# KiCad board Inkplate10_Soldered_panel.kicad_pcb (continued)
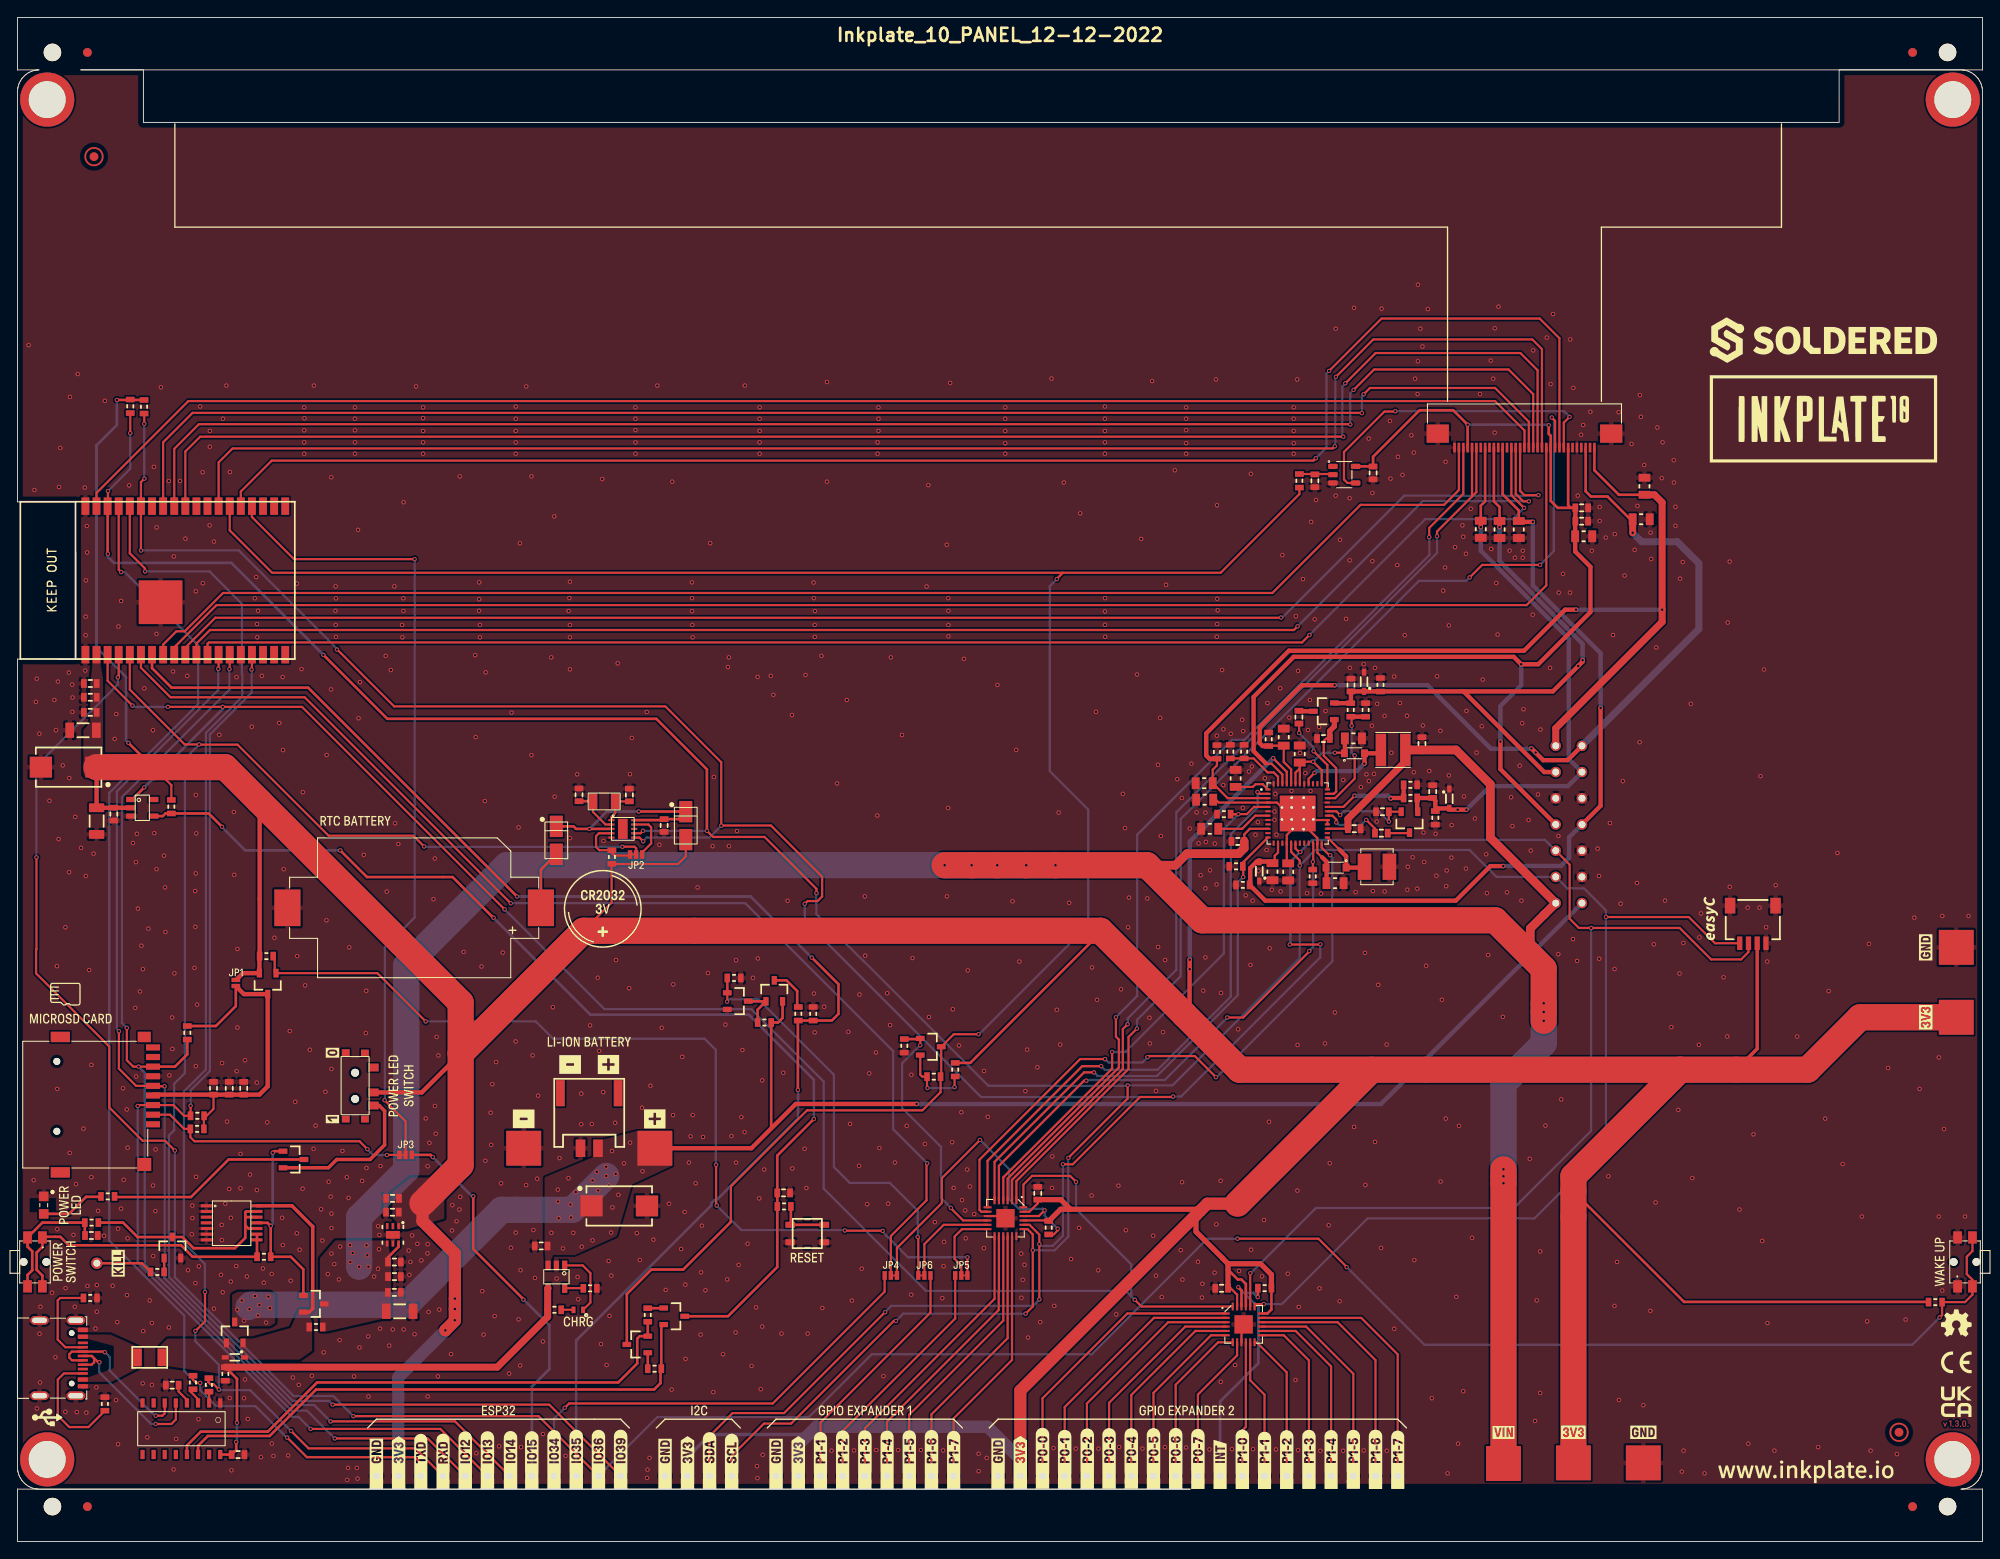
[diagram p0: board, top side]
## Routing (per net, layer and track width the routed paths; a pad name or vN(x,y) marks a point on that pad's centre or on a via; arc(x,y) is an arc through that point) (continued)
  Top w0.5: K1.4 169.65,88.39 v1(169.65,91.55) ; 142.83,89.04 141.41,90.46 141.41,96.66 146,101.25 171.18,101.25 v1(172.03,100.4) 173.98,100.4 179.95,106.37 179.95,111.55 178.2,113.3 C55.2 178.2,116.75 C42.2 C43.2
  Bottom w0.3: v1(175.17,127.75) 175.1,127.82 v1(165.9,127.82)
  Bottom w0.5: v1(169.65,91.55) 169.65,95.62 172.03,98 v1(172.03,100.4)
Board_0-3V3_MICROSD: length 41.5
  Top w0.254: R43.2 21.33,48.7 R44.2 21.64,48.72 22.43,49.51 C39.2
  Top w0.3: R45.2 22.7,59 24.98,61.27 JP1.1
  Top w0.5: K11.4 15.6,51.14 C39.2 27.68,51.14 28.63,52.09 Q10.3 25.9,62.65 JP1.1
Board_0-3V3_RTC: length 24.6
  Top w0.3: U7.10 70.56,82.57 73.86,82.57 C36.2 75.6,82.68 D11.2 76.43,83.55 v1(71.07,83.55) ; D12.2 63.61,81.85 63.9,81.56 v1(65.44,81.56) U7.3
  Bottom w0.3: v1(65.44,81.56) 67.43,83.55 v1(71.07,83.55)
Board_0-/CTRL & COMS/CH_RXD: length 1.7
  Top w0.254: U3.3 20.66,16.29 19.74,17.21
Board_0-/CTRL & COMS/CH_TXD: length 1.3
  Top w0.254: U3.2 21.93,17.12 R24.1
Board_0-/CTRL & COMS/DTR: length 62.3
  Top w0.3: R26.2 Q3.2 71.18,23.5 70.9,23.23 70.9,20.38 68.73,18.21 34.27,18.21 28.64,12.58 20.97,12.58 19.39,10.99 U3.13
Board_0-/CTRL & COMS/RTS: length 63.7
  Top w0.3: U3.14 20.66,10.95 21.78,12.08 28.85,12.08 34.17,17.4 72.83,17.4 73.56,18.13 73.56,19.68 R27.2 73.66,24.55 Q2.2
Board_0-/MCU/GPB_3: length 33.6
  Top w0.254: K19.1 96.94,12.94 111.78,27.77 U9.13
Board_0-/MCU/GPB_4: length 32.7
  Top w0.254: K20.1 99.48,13.73 112.25,26.5 112.25,28.5 112.28,28.52 U9.14
Board_0-/MCU/GPB_5: length 31.9
  Top w0.254: U9.15 112.78,25.27 102.02,14.52 K23.1
Board_0-/MCU/GPB_6: length 31.1
  Top w0.254: K21.1 104.56,14.56 113.28,23.27 U9.16
Board_0-/MCU/GPB_7: length 30.2
  Top w0.254: U9.17 113.78,20.77 107.1,14.1 K22.1
Board_0-/POWER/INT_LDO: length 6.3
  Top w0.254: C4.2 140.1,81.57 141.61,83.07 U1.7
Board_0-/POWER/TS: length 7.1
  Top w0.254: R3.2 141.41,89.62 143.02,88.02 143.71,88.02 144.21,87.52 U1.47
Board_0-/POWER/VB: length 14.6
  Top w0.254: U1.37 149.21,88.27 v1(148.23,89.25) 146.79,89.25 C12.2 146.69,88.48 ; U1.43 146.21,87.99 146.69,88.48 ; 146.69,88.48 146.71,88.46 U1.42 ; v1(150.71,90.27) 151.74,90.27 D3.1
  Top w0.5: 151.85,91.9 151.86,91.89 151.86,90.27 D3.1
  Bottom w0.254: v1(150.71,90.27) 149.25,90.27 v1(148.23,89.25)
Board_0-/POWER/VB_SW: length 10.9
  Top w0.254: U1.40 147.71,87.29 v1(148.38,87.97)
  Top w0.5: L2.2 155.59,90.21 D3.2 154.1,89.05 v1(154.08,89.02)
  Bottom w0.5: v1(154.08,89.02) 153.22,88.17 148.58,88.17 v1(148.38,87.97)
Board_0-/POWER/VN: length 22
  Top w0.254: 145.35,77.8 145.21,77.95 U1.16 145.21,80.86 U1.49 ; 149.25,78.31 149.23,78.31 148.71,78.83 U1.23 148.71,80.5 147.68,81.52 U1.49 ; U1.49 148.32,82.57 U1.29 U1.28 ; C3.2 137.09,84.9 137.42,84.57 U1.4 144.09,84.57 U1.49
  Top w0.5: 149.25,78.31 149.76,77.8 C9.2
Board_0-/POWER/VN_SW: length 6.3
  Top w0.254: U1.25 151.21,79.22 151.21,79.21
  Top w0.5: 151.21,79.21 152,78.42 D1.1 153.85,77.12 153.93,77.05
Board_0-/POWER/VREF: length 4.1
  Top w0.254: C1.2 141.33,86.36 141.64,86.67 142.46,86.67 U1.1
Board_0-/SD_RTC_GPIO/CLKOUT_RTC: length 5.4
  Top w0.254: 71.48,78.88 72.49,79.89 72.49,81.75 72.18,82.06 U7.9
Board_0-/SD_RTC_GPIO/X1: length 3.9
  Top w0.254: U7.1 67.95,82.94 68.39,83.37 X1.1 69.99,84.7 C34.2
Board_0-/SD_RTC_GPIO/X2: length 5.5
  Top w0.254: U7.2 67.28,82.06 65.84,83.5 X1.2
  Top w0.3: C35.2 65.81,84.73 X1.2
Board_0-D+: length 19.9
  Top w0.254: K2.B6 8.49,20.24 8.77,20.52 8.77,20.95 8.48,21.24 K2.A6 8.51,21.24 9.23,20.52 v1(9.37,20.52) ; U3.5 18.12,13.96 17.6,13.45 15.81,13.45 v1(15.8,13.46)
  Bottom w0.254: v1(15.8,13.46) 15.27,13.46 9.37,19.36 v1(9.37,20.52)
Board_0-D-: length 18.4
  Top w0.254: v1(9.98,21.67) 9.91,21.74 K2.B7 6.22,21.74 5.93,21.45 5.93,21.04 6.23,20.74 K2.A7 ; v1(15.82,14.4) 16.58,14.4 16.85,14.67 U3.6
  Bottom w0.254: v1(9.98,21.67) 10.53,21.12 10.53,19.58 15.71,14.4 v1(15.82,14.4)
Board_0-EPD_CKV: length 161.6
  Top w0.254: K12.32 164.9,120.35 163.2,118.65 153.65,118.65 143.56,108.56 23.52,108.56 19.13,104.17 18.18,104.17 16.66,102.66 U10.8
Board_0-EPD_CL: length 36.4
  Top w0.254: v1(177.56,128.72) 176.9,128.06 K12.8 ; v1(157.63,129.36) 157.6,129.32 156.38,129.32 151.75,124.7 151.75,121.55 152.15,121.15 U8.4
  Bottom w0.254: v1(157.63,129.36) 176.92,129.36 v1(177.56,128.72)
Board_0-EPD_D0: length 178.5
  Top w0.254: U10.26 23.01,123.51 24.6,125.1 150.45,125.1 v1(150.7,125.35) ; v1(150.83,133.3) 155.1,137.57 173.3,137.57 174.4,136.47 K12.13
  Bottom w0.254: v1(150.7,125.35) 150.78,125.42 150.78,133.25 v1(150.83,133.3)
Board_0-EPD_D1: length 178.8
  Top w0.254: v1(151.68,126.45) 20.9,126.45 19.2,124.75 U10.29 ; v1(151.9,132.55) 155.37,136.02 171.93,136.02 173.9,134.05 K12.14
  Bottom w0.254: v1(151.68,126.45) 151.58,126.55 151.58,132.22 v1(151.9,132.55)
Board_0-EPD_D2: length 175.2
  Top w0.254: v1(152.48,127.85) 152.45,127.87 20.75,127.87 17.93,125.05 U10.30 ; K12.15 173.4,131.32 170.58,134.14 155.19,134.14 v1(152.85,131.8)
  Bottom w0.254: v1(152.85,131.8) 152.48,131.42 v1(152.48,127.85)
Board_0-EPD_D3: length 171.8
  Top w0.254: K12.16 172.9,128.16 169.04,132.02 154.73,132.02 v1(154,131.3) ; U10.31 16.66,125.81 20.03,129.17 153.78,129.17 v1(153.8,129.15)
  Bottom w0.254: v1(154,131.3) 153.8,131.1 v1(153.8,129.15)
Board_0-EPD_D4: length 172.6
  Top w0.254: U10.37 9.04,120.01 19.55,130.52 169.04,130.52 172.4,127.16 K12.17
Board_0-EPD_D5: length 170.1
  Top w0.254: v1(144.55,105.75) 144.53,105.72 22.63,105.72 19.2,102.3 U10.10 ; K12.18 171.9,120.25 172.4,119.75 v1(174,119.75)
  Bottom w0.254: v1(174,119.75) 173.95,119.7 158.65,119.7 144.7,105.75 v1(144.55,105.75)
Board_0-EPD_D6: length 167.6
  Top w0.254: K12.19 171.4,119.9 172.25,119.05 v1(172.9,119.05) ; v1(146.44,104.74) 146.02,104.32 22.02,104.32 20.47,102.77 U10.11
  Bottom w0.254: v1(146.44,104.74) 160.78,119.08 172.87,119.08 v1(172.9,119.05)
Board_0-EPD_D7: length 165.8
  Top w0.254: v1(147.8,103.75) 146.95,102.9 21.9,102.9 21.74,102.74 U10.12 ; v1(172.35,118.3) 170.9,119.75 K12.20
  Bottom w0.254: v1(172.35,118.3) 171.05,117 161.05,117 v1(147.8,103.75)
Board_0-EPD_GMODE: length 113.8
  Top w0.254: 166.4,119.6 166.9,120.1 K12.28 ; 166.4,119.6 162.4,115.6 v1(162.4,115.05) ; 166.4,119.6 K12.29 ; v1(127,59.2) 126.45,58.65 126.45,54.07 113.78,41.39 U9.2
  Bottom w0.254: v1(127,59.2) 127,59.85 132.58,65.43 132.58,83.46 140.42,91.31 140.57,91.31 162.4,113.14 v1(162.4,115.05)
Board_0-EPD_LE: length 179.1
  Top w0.254: U10.24 25.55,120.17 29.09,123.71 148.26,123.71 v1(148.53,123.97) ; K12.9 176.4,137.71 174.14,139.97 156.05,139.97 v1(150.05,133.97)
  Bottom w0.254: v1(148.53,123.97) 149.75,125.2 149.75,133.67 v1(150.05,133.97)
Board_0-EPD_OE: length 125.8
  Top w0.254: v1(128.07,58.71) 127.1,57.74 127.1,54.07 114.28,41.25 U9.1 ; v1(166.13,110.33) 167.57,111.77 v1(174.18,111.77) ; K12.10 175.9,128.26 v1(175.52,128.64)
  Bottom w0.254: v1(166.13,110.33) 165.74,109.95 160.33,109.95 133.07,82.69 133.07,64.71 128.07,59.71 v1(128.07,58.71) ; v1(175.52,128.64) 175.75,128.41 175.75,113.35 v1(174.18,111.77)
Board_0-EPD_SPH: length 176.5
  Top w0.254: K12.12 174.9,109.42 172.65,107.17 22.77,107.17 17.93,102.33 U10.9
Board_0-EPD_SPV: length 108.9
  Top w0.254: v1(161.5,114.95) 161.5,116 165.4,119.9 K12.31 ; v1(125.66,60) 125.66,57.79 126,57.45 126,54.25 113.28,41.53 U9.3
  Bottom w0.254: v1(125.66,60) 128.1,62.44 128.1,80.9 138.96,91.76 140.38,91.76 161.53,112.91 161.53,114.92 v1(161.5,114.95)
Board_0-GND: length 4.3
  Top w0.254: U9.9 112.78,37.25 U9.25 ; U11.9 140.03,24.6 U11.25
  vias: v1(1.28,136.92) v1(1.85,41.35) v1(1.94,120.34) v1(2.1,96.1) v1(2.2,98.75) v1(2.23,15.22) v1(2.5,92.45) v1(2.53,23.77) v1(2.63,26.87) v1(2.58,18.2) v1(3.65,84.77) v1(3.95,28.47) v1(4.22,96.32) v1(4.34,21.09) v1(4.4,92.85) v1(4.5,65.85) v1(4.55,51.8) v1(4.55,35.75) v1(4.62,98.42) v1(4.75,120.69) v1(4.7,80.4) v1(4.9,125.16) v1(5.18,88.82) v1(5.48,70.3) v1(5.5,29) v1(5.48,14.85) v1(5.88,99.45) v1(5.93,87.37) v1(5.91,76.6) v1(6,131) v1(5.98,44.47) v1(6.25,98.07) v1(6.3,96.6) v1(6.28,94.95) v1(6.4,35.1) v1(6.55,26.87) v1(6.61,82.94) v1(6.7,40.9) v1(6.79,14.8) v1(6.89,133.61) v1(7.28,79.4) v1(7.55,47.25) v1(7.7,120.62) v1(7.75,99.67) v1(7.83,110) v1(7.8,105.85) v1(7.8,103.72) v1(7.81,76.17) v1(7.93,116.22) v1(7.88,14.75) v1(7.98,113.2) v1(8,29.25) v1(8.2,65.4) v1(8.45,54.55) v1(8.45,41.7) v1(8.7,78.72) v1(8.93,24.37) v1(9.03,17.65) v1(9.08,29.35) v1(9.08,26.3) v1(9.23,37.85) v1(9.9,35) v1(10,130.55) v1(10.89,29.27) v1(11.12,91.86) v1(11.3,94.7) v1(11.28,16.19) v1(11.41,25.11) v1(11.55,104.72) v1(11.5,35.8) v1(11.51,11.13) v1(11.85,107.65) v1(11.85,38.1) v1(12.08,51.87) v1(12.15,41.4) v1(12.5,49.45) v1(12.53,28.2) v1(12.6,45.07) v1(12.6,34.7) v1(12.78,120.87) v1(13.2,79.95) v1(13.55,77.75) v1(13.48,61.07) v1(13.65,81) v1(13.58,53.22) v1(13.77,72.43) v1(14,62.95) v1(14.17,68.19) v1(14.35,65.5) v1(14.33,18.1) v1(14.39,24.08) v1(14.51,97.64) v1(14.85,11.92) v1(14.98,70.14) v1(15.13,27.58) v1(15.38,25.01) v1(15.38,17.92) v1(15.5,92.85) v1(15.5,40.75) v1(15.53,32.67) v1(15.6,123) v1(15.65,81.07) v1(15.8,44.87) v1(15.77,37.82) v1(15.91,116.07) v1(15.9,103.87) v1(15.9,76.95) v1(16.4,132.1) v1(16.75,78.5) v1(16.88,74.87) v1(16.93,69.76) v1(17.3,121.37) v1(17.32,24.5) v1(17.38,53.35) v1(17.7,59.97) v1(17.73,56.37) v1(17.8,99.57) v1(17.88,112.74) v1(17.95,65.02) v1(17.86,8.25) v1(18.15,11.75) v1(18.6,121.37) v1(19.21,114.78) v1(19.43,99.07) v1(19.5,31.05) v1(19.94,35.16) v1(20,38.45) v1(20.01,37.02) v1(20.25,65.65) v1(20.33,74.45) v1(20.35,70.35) v1(20.35,29.57) v1(20.4,108.75) v1(20.4,85.45) v1(20.45,81.05) v1(20.39,76.47) v1(20.4,54.4) v1(20.44,41.74) v1(20.55,61.45) v1(20.75,31.5) v1(20.7,14) v1(20.9,129.9) v1(21.18,122.37) v1(21.2,109.67) v1(22,127.1) v1(22,125.3) v1(21.98,116.3) v1(22.47,114.44) v1(22.48,26.65) v1(23.08,92.33) v1(23.28,30.52) v1(23.4,54.75) v1(23.36,36.24) v1(23.38,34.5) v1(23.5,128.5) v1(23.48,28.52) v1(23.77,38.67) v1(23.9,132.3) v1(23.97,48.06) v1(24.23,40.35) v1(24.3,122.4) v1(24.28,16.42) v1(24.41,37.05) v1(24.4,29.75) v1(24.48,8.15) v1(24.75,83.5) v1(24.8,76.3) v1(25.05,98.92) v1(25.03,31.52) v1(25.08,53.82) v1(25.16,67.81) v1(25.16,58.82) v1(25.51,44.36) v1(25.51,40.43) v1(25.93,16.4) v1(26.02,55.08) v1(26.03,18.55) v1(26.24,30.33) v1(26.34,14.03) v1(26.6,42) v1(26.8,93.25) v1(27.15,107.95) v1(27.31,110.38) v1(27.4,105) v1(27.43,103.48) v1(27.38,52.52) v1(27.38,40.22) v1(27.52,106.52) v1(27.85,9.65) v1(27.95,99.07) v1(28.08,31.25) v1(28.18,29.62) v1(28.57,47.97) v1(29.08,30.62) v1(29.09,11.21) v1(29.28,9.79) v1(29.4,69.1) v1(29.95,93.69) v1(30.33,98.93) v1(30.28,37.05) v1(30.35,33.92) v1(30.37,90.58) v1(30.45,76.95) v1(30.96,9.85) v1(31.14,58.42) v1(31.25,29.85) v1(31.5,18.77) v1(31.78,50.32) v1(31.95,35.27) v1(31.96,109.63) v1(32,67) v1(32.18,17.92) v1(32.28,33.4) v1(32.49,99.84) v1(32.64,85.76) v1(32.62,40.38) v1(32.8,129.8) v1(32.83,128.55) v1(32.8,127.17) v1(32.8,125.8) v1(32.8,124.5) v1(32.9,63.65) v1(33.44,56.28) v1(33.68,18.97) v1(33.9,132.3) v1(33.88,44.95) v1(34.1,47.6) v1(34.73,38.02) v1(34.88,34.45) v1(35.03,21.65) v1(35.23,51.47) v1(35.35,71.1) v1(35.37,90.01) v1(35.6,41.17) v1(35.83,39.47) v1(35.9,121.8) v1(35.87,97.52) v1(35.92,54.09) v1(35.92,37.53) v1(35.93,35.87) v1(36.4,109.32) v1(36.43,107.95) v1(36.38,106.52) v1(36.4,104.9) v1(36.43,103.54) v1(36.85,23.05) v1(37.18,44.7) v1(37.68,41.69) v1(37.73,7.05) v1(37.83,8.42) v1(37.95,68) v1(37.88,39.32) v1(38.5,18.9) v1(38.6,129.8) v1(38.6,128.5) v1(38.6,127.17) v1(38.6,125.8) v1(38.6,124.5) v1(38.83,8.42) v1(38.9,7.2) v1(38.96,115.79) v1(39.02,94.22) v1(39.13,22.2) v1(39.17,98.36) v1(39.43,41.27) v1(39.62,78.59) v1(39.85,58.19) v1(39.9,63.03) v1(39.93,42.75) v1(40.13,23.47) v1(40.15,16.6) v1(41.25,36.07) v1(41.4,35.09) v1(41.53,42.97) v1(41.48,24.37) v1(42.12,101.36) v1(42.24,74.38) v1(42.53,22.42) v1(42.71,99.74) v1(42.93,24.27) v1(43.11,109.32) v1(43.2,82.2) v1(43.57,79.84) v1(44,104.9) v1(44.03,103.48) v1(44.14,107.95) v1(44.15,106.5) v1(44.17,118.94) v1(44.18,24.27) v1(44.75,33.3) v1(44.83,30.52) v1(44.95,32) v1(45.15,35.02) v1(45.43,23.72) v1(45.6,132.2) v1(45.74,34.07) v1(46.2,32.17) v1(46.4,129.8) v1(46.4,128.57) v1(46.4,127.1) v1(46.4,125.8) v1(46.4,124.5) v1(46.7,48.42) v1(46.93,42.95) v1(46.93,34.02) v1(46.9,32.97) v1(46.93,16.6) v1(47.03,26.27) v1(47.13,45.62) v1(47.59,73.51) v1(47.74,78.17) v1(47.75,49.85) v1(47.85,46.67) v1(47.95,57.75) v1(48.15,55.62) v1(48.1,18.9) v1(48.25,26.55) v1(49.6,21.45) v1(49.75,38.5) v1(49.7,35.6) v1(50.23,36.65) v1(50.55,38) v1(50.6,121.9) v1(50.65,39.45) v1(51.04,67.48) v1(52.36,101.44) v1(52.42,92.07) v1(52.5,10.1) v1(52.83,109.77) v1(52.82,107.84) v1(52.8,106.52) v1(52.9,104.9) v1(52.9,103.48) v1(53.09,65.81) v1(53.17,28.65) v1(53.32,23.68) v1(53.46,84.74) v1(53.53,43.57) v1(53.56,99.48) v1(54.13,49.07) v1(54.19,45.39) v1(54.32,52.34) v1(54.59,25.79) v1(54.75,54.87) v1(55.1,10.9) v1(55.33,41) v1(55.52,67.4) v1(56.25,19.22) v1(56.45,33.62) v1(56.52,94.87) v1(57,129.9) v1(57,128.5) v1(57,127.1) v1(57,125.8) v1(57,124.5) v1(56.99,57.23) v1(57,35.35) v1(57.33,81.72) v1(57.33,25.42) v1(57.48,114.25) v1(57.55,31.05) v1(57.5,20.15) v1(57.6,10.8) v1(58.2,132.2) v1(58.19,40.79) v1(58.8,121.9) v1(58.8,90) v1(58.93,55.64) v1(59.03,35.65) v1(59.2,30.17) v1(59.45,41.52) v1(59.55,51.03) v1(60.1,22.9) v1(60.1,12.3) v1(61.07,101.19) v1(61.25,61.15) v1(61.41,117.32) v1(61.45,85.25) v1(61.68,30.1) v1(62.01,43.88) v1(62.7,9.8) v1(63.05,106.5) v1(63.13,107.98) v1(63.2,109.85) v1(63.2,104.9) v1(63.2,103.48) v1(63.2,99.82) v1(63.2,80.5) v1(64.03,87.8) v1(64.08,30.27) v1(64.15,27.72) v1(64.5,51.26) v1(64.49,47.75) v1(65.5,59.07) v1(65.7,47.77) v1(66.38,64.52) v1(66.55,56.15) v1(66.75,22.6) v1(66.9,121.6) v1(67.04,80.19) v1(67.01,51.43) v1(67.4,20.2) v1(67.63,32.1) v1(67.73,25.82) v1(67.94,30.43) v1(68.38,47.92) v1(68.47,66.55) v1(68.66,100.51) v1(69.98,63.32) v1(70.07,87.82) v1(70.28,91.97) v1(70.7,129.8) v1(70.7,128.5) v1(70.7,127.2) v1(70.7,125.8) v1(70.7,124.5) v1(70.85,35.29) v1(71.2,32.22) v1(71.45,49.65) v1(71.99,94.94) v1(72.03,7.27) v1(72.08,8.22) v1(72.3,9.57) v1(72.41,52.17) v1(72.75,34.55) v1(73.2,132.3) v1(73.44,79.75) v1(73.7,58.8) v1(74.15,28.8) v1(74.53,38.66) v1(74.84,17.39) v1(74.9,121.3) v1(75.02,63.77) v1(75,48.8) v1(75.93,33.47) v1(76.05,55.47) v1(76.33,37.72) v1(76.4,29.4) v1(76.43,20.9) v1(76.81,43.37) v1(77,46.37) v1(77.15,109.77) v1(77.17,107.97) v1(77.18,106.47) v1(77.2,104.9) v1(77.24,103.48) v1(77.25,48.81) v1(77.58,41) v1(77.8,74.86) v1(78.15,23.67) v1(78.2,30.8) v1(78.3,36.15) v1(78.43,46.3) v1(78.7,28.75) v1(78.98,65.06) v1(79.25,114.25) v1(79.52,79.58) v1(79.6,17.1) v1(79.67,87.5) v1(80.71,21.43) v1(80.99,59.16) v1(81.2,30) v1(81.28,100.07) v1(81.38,101.19) v1(81.38,79.58) v1(81.68,46.4) v1(82.15,23.92) v1(82.2,66.52) v1(82.2,43.37) v1(82.31,81.31) v1(82.5,31.65) v1(82.81,48.57) v1(82.93,56.25) v1(83.2,132.3) v1(83.18,46.85) v1(83.53,34.07) v1(83.98,20.1) v1(84.14,64.52) v1(84.5,26.8) v1(84.6,8.62) v1(84.65,7.25) v1(84.68,98.95) v1(84.69,66.73) v1(84.9,129.8) v1(84.9,128.5) v1(84.9,127.1) v1(84.9,125.8) v1(84.9,124.5) v1(84.86,39.27) v1(85.03,17.44) v1(85.2,52.78) v1(85.2,24.6) v1(85.25,9.92) v1(85.43,42.57) v1(86.18,99.07) v1(86.48,96.9) v1(87.4,23.8) v1(87.61,53.65) v1(88.1,73.33) v1(88.6,94.57) v1(88.65,42.7) v1(90.05,44.95) v1(90.15,99.17) v1(90.25,40.45) v1(90.4,23.8) v1(91.08,109.75) v1(91.1,107.97) v1(91.12,62.72) v1(91.23,106.5) v1(91.2,104.9) v1(91.21,103.53) v1(91.2,58.27) v1(91.97,101.36) v1(92.08,26.72) v1(92.28,61.2) v1(92.6,132.7) v1(92.6,121.3) v1(93.13,10.4) v1(93.76,86.76) v1(94.87,96.32) v1(95.05,58.33) v1(95.25,47.8) v1(95.45,27.57) v1(95.7,10.42) v1(96.33,62.6) v1(96.28,43) v1(96.58,31.22) v1(96.93,73.84) v1(96.98,67.05) v1(97.2,38.6) v1(97.44,53.58) v1(98.2,55.97) v1(98.25,10.47) v1(98.4,125.8) v1(98.4,124.5) v1(98.37,83.09) v1(98.5,129.8) v1(98.5,128.5) v1(98.5,127.1) v1(98.6,45.05) v1(99.08,18.92) v1(99.5,62.75) v1(99.6,38.67) v1(99.83,59.1) v1(99.91,101.19) v1(100.38,43.37) v1(100.75,10.47) v1(101.19,92.31) v1(101.73,47.57) v1(102.25,28.25) v1(102.26,53.42) v1(102.39,66.78) v1(103.35,10.47) v1(103.8,45.5) v1(104,109.3) v1(104.2,120.9) v1(104.28,60.02) v1(104.95,36.55) v1(105.8,27.85) v1(105.95,31.5) v1(105.9,10.42) v1(106,34.3) v1(106.31,114.08) v1(106.32,73.84) v1(106.48,107.97) v1(106.5,106.52) v1(106.5,104.9) v1(106.5,103.59) v1(106.48,83.95) v1(106.7,132.6) v1(106.93,45.7) v1(107,60.92) v1(107.1,40.47) v1(107.7,56.77) v1(107.98,49.12) v1(108.05,39.07) v1(108.27,101.02) v1(108.43,37.9) v1(108.48,34.7) v1(108.65,42.57) v1(108.71,65.36) v1(108.95,40.62) v1(109.45,37.47) v1(109.95,10.05) v1(109.95,8.05) v1(110.55,33.57) v1(110.58,53.85) v1(110.88,9.57) v1(111,48.6) v1(112.11,98.03) v1(113,129.8) v1(113,128.5) v1(113,127.1) v1(113,125.7) v1(113,124.5) v1(113.83,73.27) v1(114.25,90.6) v1(114.62,66.38) v1(114.83,32.95) v1(114.85,27.9) v1(115,29.95) v1(115.2,31.67) v1(115.3,51.55) v1(115.51,56.3) v1(115.6,23.35) v1(116.68,54.27) v1(117,25.11) v1(118.3,133.1) v1(118.35,40.47) v1(118.38,44.07) v1(118.52,10.7) v1(118.61,26.97) v1(118.89,60.86) v1(119.11,83.43) v1(119.29,56.88) v1(119.7,121.2) v1(120.31,73.1) v1(120.53,32.33) v1(121.07,10.63) v1(121.45,35.9) v1(121.58,117.67) v1(122.93,65.7) v1(122.88,39.6) v1(123.38,94.96) v1(123.5,62) v1(123.64,31.04) v1(123.67,10.63) v1(124.4,129.9) v1(124.4,128.5) v1(124.4,127.1) v1(124.4,125.8) v1(124.4,124.5) v1(124.42,107.97) v1(124.4,106.45) v1(124.41,104.92) v1(124.43,103.55) v1(125.7,26) v1(125.95,40.72) v1(126.03,10.82) v1(126.25,63.2) v1(126.45,85.57) v1(126.7,81.65) v1(126.79,35.63) v1(127.05,70.3) v1(127.15,73.7) v1(128.08,99.23) v1(128.55,114.75) v1(128.7,10.63) v1(129.25,73.6) v1(129.5,59.95) v1(129.55,57) v1(129.8,132.8) v1(129.93,35) v1(130.24,51.57) v1(130.25,30.42) v1(130.47,88.9) v1(130.49,68.04) v1(130.72,94.27) v1(130.79,80.75) v1(130.9,27.97) v1(131.05,58.3) v1(131.3,66.55) v1(131.27,10.79) v1(131.4,109.5) v1(132.4,122.6) v1(132.68,87.25) v1(133.08,33.35) v1(133.2,85.1) v1(133.23,41.12) v1(133.28,29.97) v1(133.7,129.8) v1(133.7,128.5) v1(133.7,127.2) v1(133.7,125.7) v1(133.7,124.5) v1(133.69,10.76) v1(134.1,81.6) v1(134.3,89.02) v1(134.9,83.45) v1(135.05,32.02) v1(135.12,79.91) v1(135.35,76.25) v1(135.55,29.5) v1(135.5,27.92) v1(135.65,63.05) v1(135.9,83.42) v1(135.95,80.07) v1(135.9,74.75) v1(135.9,66.85) v1(136.43,76.82) v1(136.36,10.54) v1(136.95,30.77) v1(136.97,79.88) v1(137.1,133) v1(137.15,36.3) v1(137.23,118.6) v1(137.25,107.9) v1(137.25,105) v1(137.2,103.55) v1(137.2,92.22) v1(137.18,75.2) v1(137.3,106.57) v1(137.64,41.29) v1(137.65,18.27) v1(137.68,62.78) v1(137.81,99.74) v1(137.95,86.57) v1(137.96,92.96) v1(138.8,92.45) v1(138.93,10.57) v1(139.29,20.2) v1(139.65,58.63) v1(139.75,30.97) v1(140.1,94.05) v1(140.23,92.75) v1(140.18,83.97) v1(140.5,73.95) v1(140.88,88.12) v1(141.05,66) v1(141.1,122.2) v1(141.13,33.4) v1(141.23,88.7) v1(141.3,73.35) v1(141.35,10.57) v1(141.63,80.9) v1(141.9,82.32) v1(141.98,76.77) v1(142.38,30.35) v1(142.6,36.8) v1(142.7,87.35) v1(142.9,79.15) v1(143,95.95) v1(143.25,67.9) v1(143.18,48.04) v1(143.5,74.6) v1(143.8,83.55) v1(143.8,82.6) v1(143.9,85.57) v1(144.03,80.9) v1(143.96,10.54) v1(144.45,97.65) v1(144.5,74.4) v1(144.7,112.9) v1(145.33,30.65) v1(145.5,94.3) v1(145.75,85.9) v1(146,129.8) v1(146,128.5) v1(146,127.1) v1(146,125.7) v1(146,124.5) v1(146.25,105.9) v1(146.2,18.47) v1(146.4,133) v1(146.44,56.83) v1(146.42,40.16) v1(146.5,99.65) v1(146.5,10.45) v1(146.58,26.85) v1(146.73,90.25) v1(147.05,110.15) v1(147.33,87.95) v1(147.53,74.2) v1(147.63,92.87) v1(147.85,96.32) v1(147.93,85.9) v1(148,116.7) v1(148.4,105.55) v1(148.55,119.2) v1(148.9,93.22) v1(148.95,28.97) v1(149.05,10.39) v1(149.13,74.15) v1(149.65,95.05) v1(149.58,57) v1(150,36.2) v1(150.12,43.29) v1(150.71,60.55) v1(150.8,138.8) v1(150.8,119.7) v1(151.25,27.5) v1(151.3,114.65) v1(151.65,10.39) v1(151.68,87.15) v1(152,105.6) v1(152.4,119.4) v1(152.4,112.3) v1(152.43,100) v1(152.9,141.2) v1(152.91,47.45) v1(153.08,74.32) v1(153.68,86.35) v1(154,100.42) v1(154.01,10.42) v1(154.15,67.37) v1(154.2,40.8) v1(154.33,87.8) v1(154.58,126.22) v1(154.6,87.02) v1(154.94,93.37) v1(155,120) v1(155,112.2) v1(155.05,74.45) v1(155.18,87.86) v1(155.3,100) v1(155.3,45.74) v1(155.55,95.87) v1(155.5,82.4) v1(155.67,63.71) v1(156,33.6) v1(156.06,141.1) v1(156.39,94.5) v1(156.4,74.4) v1(156.63,56.88) v1(156.65,10.39) v1(157,128.25) v1(157.08,121.65) v1(157.17,90.27) v1(157.5,99) v1(157.5,24.35) v1(157.85,111.75) v1(157.93,124.15) v1(158.15,95.97) v1(158.45,122.07) v1(158.7,103.72) v1(158.96,94.51) v1(159.05,77.22) v1(159,74.6) v1(159.46,126.6) v1(159.61,78.31) v1(159.74,124.63) v1(159.74,88.04) v1(159.8,32.2) v1(159.89,133.08) v1(160.14,74.72) v1(160.21,143.84) v1(160.21,135.08) v1(160.17,131.32) v1(160.49,138.81) v1(160.73,136.77) v1(160.78,93.4) v1(160.85,81.15) v1(160.93,77.77) v1(161.15,65.9) v1(161.34,141.05) v1(161.51,88.19) v1(161.8,16.4) v1(162.23,81) v1(162.33,76.2) v1(162.4,99.02) v1(162.78,92.79) v1(162.8,41.2) v1(162.95,62) v1(163.1,108.82) v1(163.33,111.47) v1(163.38,123.58) v1(163.45,75) v1(163.4,48.4) v1(163.5,76.8) v1(163.6,7.8) v1(163.75,104.85) v1(163.74,87.68) v1(164.05,78.27) v1(164.07,81.99) v1(164.45,113.8) v1(164.6,28) v1(164.8,11.2) v1(164.9,47.57) v1(165.3,116.3) v1(165.4,115) v1(165.4,17.2) v1(165.48,85.28) v1(165.7,113.05) v1(165.7,77.02) v1(165.76,95.07) v1(166.25,118.2) v1(166.4,34.76) v1(166.72,82.75) v1(166.92,90.29) v1(167.31,131.32) v1(167.51,93.3) v1(167.63,98.65) v1(168.03,78.65) v1(168.1,74.2) v1(168.25,67.12) v1(168.54,135.16) v1(168.6,113.6) v1(168.83,133.08) v1(169,138.85) v1(168.99,126.91) v1(169.18,109.7) v1(169.33,103.8) v1(169.43,141.33) v1(169.93,60.05) v1(170.4,74.3) v1(170.7,113.4) v1(170.87,85.18) v1(171.02,81.87) v1(171.3,112.6) v1(171.85,88.8) v1(172.05,73.35) v1(172.14,93.65) v1(172.2,113.4) v1(172.2,112.6) v1(172.29,95.25) v1(172.87,82.58) v1(173,43.8) v1(173.12,79.08) v1(173.35,106.07) v1(173.4,136.32) v1(173.6,13.8) v1(173.8,27.6) v1(173.95,85.5) v1(174.23,92.93) v1(174.2,33.2) v1(174.2,17) v1(174.8,47.6) v1(174.95,137.79) v1(175.33,100) v1(175.39,132.47) v1(175.67,140.49) v1(176.33,108.6) v1(176.28,80.75) v1(176.27,67.22) v1(176.6,50.6) v1(176.8,110.75) v1(177.64,137.58) v1(177.6,108.6) v1(177.95,68.95) v1(177.99,132.04) v1(178.43,66.45) v1(178.5,119.7) v1(178.88,126.67) v1(179.12,127.78) v1(179.94,129.3) v1(180.1,113.4) v1(180.78,79.3) v1(180.93,76.17) v1(180.95,66.7) v1(181,118.4) v1(181,116.8) v1(181.7,114.9) v1(182,41.8) v1(182.18,82.22) v1(182.53,103.75) v1(182.73,115.3) v1(182.71,65.52) v1(182.7,26.97) v1(183,32) v1(183.18,129.25) v1(183.2,16.2) v1(183.4,73) v1(183.65,87.02) v1(183.85,110.55) v1(184.65,125.62) v1(185,113.5) v1(185.33,118.52) v1(185.27,75.38) v1(185.6,131.2) v1(185.58,91.47) v1(185.73,128.72) v1(186,15.6) v1(186.1,123.2) v1(186.83,115.47) v1(186.8,26.4) v1(186.9,112.45) v1(187.2,68.35) v1(187.4,38.8) v1(187.48,102.32) v1(187.6,127.5) v1(188.1,121.7) v1(188.2,125.8) v1(188.49,73.35) v1(189.2,58.87) v1(189.48,123.75) v1(189.5,121.2) v1(189.68,118.42) v1(189.68,116.25) v1(190,49.4) v1(190.14,65.01) v1(190.2,110.2) v1(190.4,8) v1(190.5,112.1) v1(190.58,68.5) v1(190.6,10.4) v1(191.43,95.87) v1(191.6,41.6) v1(192.35,56.85) v1(192.42,69.14) v1(192.61,71.89) v1(193,7.8) v1(195.18,64.57) v1(195.65,105.17) v1(195.6,57.8) v1(195.88,112.15) v1(195.88,74.93) v1(197,38) v1(197.93,72.55) v1(198,11.2) v1(198.6,46.6) v1(199.29,72.55) v1(199.4,87.6) v1(199.6,34.4) v1(199.8,99.8) v1(200.05,70.3) v1(200.18,66.38) v1(200.2,25) v1(201,10.4) v1(201.14,75.11) v1(203.6,57.8) v1(206,10.8) v1(206.8,48.4) v1(207.2,63) v1(208.2,78.8) v1(208.8,43.2) v1(211,37.2) v1(211.6,25.2) v1(211.8,68.4) v1(212,10.4) v1(214,54.2) v1(215,10) v1(216,25.4) v1(217,71.4) v1(217.6,51.8) v1(219.8,55.4) v1(219.8,37.2) v1(220.2,71.6) v1(220.2,28.72) v1(220.4,47.2) v1(222.8,37.2) v1(223.2,71.6)
